# Altium PCB novena_evt1_a.PcbDoc (part 6 of 12) (continued)
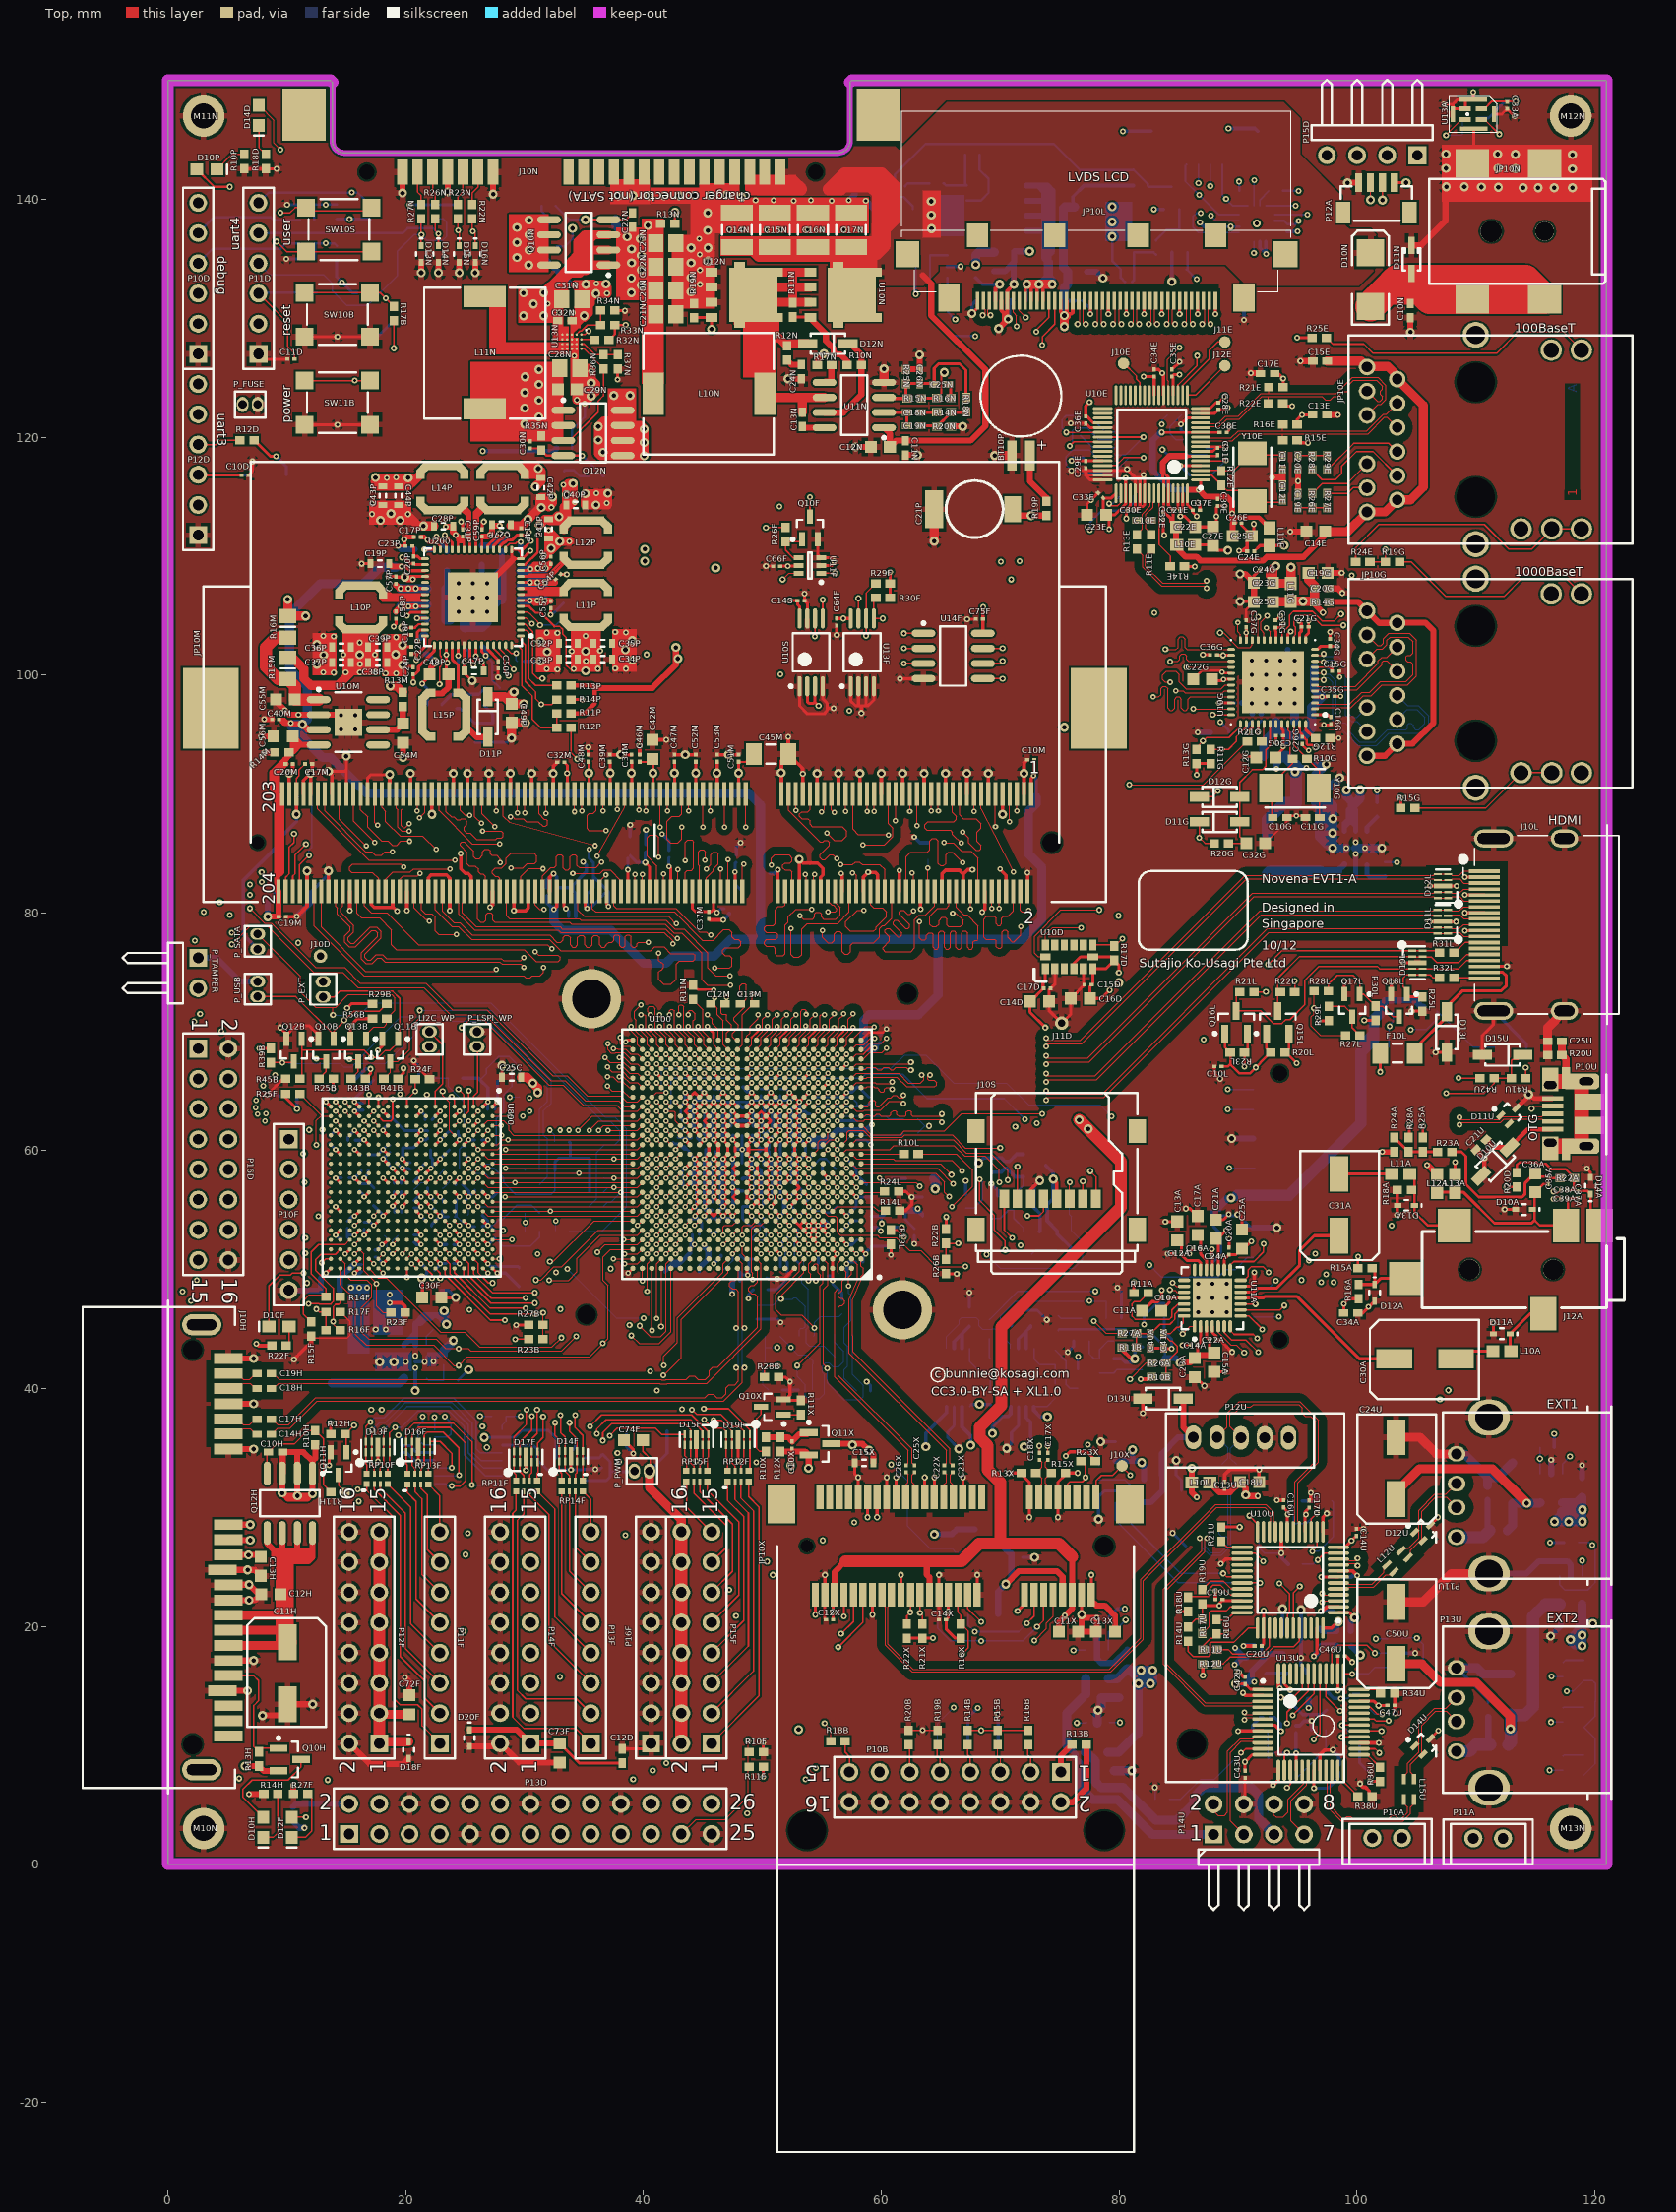
[diagram p0: Top view]
## Nets (pads, with @x,y where several pads share a name; then routed paths per layer and width w, separated by ;. In a path a pad name is that pad's centre, name@x,y a point inside that pad or via, vN(x,y) a via of type N, cw(c..) or ccw(c..) an arc to the next point about the centre after c; other vN are vias at no path point) (continued)
  L8 w0.127: v1(95.75,92.175) 99.15,88.775 100.375,88.775 103.375,85.775 v1(103.375,84.25)
  Bot w0.203: R17G.1@102.375,84.25 v1(103.375,84.25)
  Bot w0.254: v1(90.825,95.175) 90.825,95.775 C33G.1@91.2,96.15
  Bot w0.508: v1(93.25,92.1) 93.25,92.5 93.65,92.9 L10G.1@93.65,93.15 ; v3(94.8,91.875) 94.9,91.975 95.1,92.175 v1(95.75,92.175)
  Bot w1.016: L12G.2@92.5,86.59 92.5,87.825 93.9,89.225 C27G.2@94.9,89.225 C28G.2@94.9,90.725 94.9,91.975 94.9,92.25 94.925,92.275 94.05,93.15 L10G.1@93.65,93.15
  other v1: 88.75,101.65
  other v2: 88.8,99.625 90.7,103.55
EN100_A1.8V: C25E.1 C26E.1 C37E.1 C38E.1 C39E.1 L11E.2 U10E.1 U10E.11 U10E.64 | length 26.7
  Top w0.229: v1(83.6,120.4) 83.604,120.404 U10E.11@86.875,120.404 88.446,120.404 C38E.1@88.45,120.4
  Top w0.254: U10E.64@85.75,115.279 85.75,114.3 C37E.1@86.2,113.85 86.2,113.675 v1(86.525,113.35) ; v1(86.7,115.575) 86.875,115.75 U10E.1@86.875,116.404 ; 89.5,113.05 89.721,113.271
  Top w0.381: 89.721,113.271 89.743,113.25 91.775,113.25 L11E.2@92.65,112.375
  Top w0.508: 85.9,115.575 v1(86.7,115.575) 87.275,115 89.05,115 89.51,114.54 89.51,113.885 89.5,113.875 v1(89.5,113.6) 89.5,113.05 89.7,112.85 89.55,112.7 C25E.1@89.55,111.75
  Bot w0.508: v1(83.6,120.4) 83.475,120.4 82.825,119.75 82.825,117.225 84.475,115.575 v1(86.7,115.575)
EN100_A3.3V: C14E.1 C15E.1 C21E.1 C22E.1 C31E.1 C32E.1 JP10E.R1 JP10E.R6 JP10E.R7 JP10E.R12 L10E.1 U10E.6 U10E.59 U10E.60 | length 58
  Top w0.229: U10E.6@86.875,118.404 88.204,118.404 C31E.1@88.3,118.5
  Top w0.254: C22E.1@84.8,112.45 C22E.1@84.55,112.7 ; 85.6,118.4 86.871,118.4 U10E.6@86.875,118.404 ; C22E.1@84.55,112.7 C21E.1@84.55,113.85 84.15,114.25 U10E.60@84.15,115.279 84.15,116.625 83.675,117.1 83.675,116.55 83.75,116.475 U10E.59@83.75,115.279 83.75,113.75 C32E.1@83.7,113.7 83.8,113.7 84.35,113.15 84.35,112.9 C22E.1@84.55,112.7
  Top w0.508: 83.675,117.1 83.675,117.825 84.254,118.404 85.596,118.404 85.6,118.4 ; C22E.1@84.8,112.45 84.8,111 L10E.1@84.85,110.95 84.85,110.675 85.575,109.95 86.5,109.95 86.825,109.625 92.125,109.625 92.425,109.925 95.5,109.925 97.35,111.775 C14E.1@97.35,112.05
  Top w0.762: C14E.1@97.35,112.05 99.206,112.05 JP10E.R12@100.86,113.704 102.374,113.704 JP10E.R6@103.39,114.72 104.52,114.72 105.6,115.8 105.6,122.67 JP10E.R1@103.39,124.88 103.39,125.16 102.6,125.95 100.914,125.95 JP10E.R7@100.86,125.896 100.356,126.4 C15E.1@97.5,126.4
EN100_D1.8V: C23E.1 C24E.1 C33E.1 C34E.1 C35E.1 C36E.1 L11E.1 U10E.20 U10E.24 U10E.36 U10E.49 U10E.51 | length 18.7
  Top w0.254: v1(77.525,122.95) 77.2,122.625 C36E.1@77.2,121.75 77.275,121.75 77.821,121.204 U10E.36@78.625,121.204 ; v1(79.15,112.275) 79.15,113.2 C23E.1@78.9,113.45 ; U10E.49@79.75,115.279 79.359,114.888 C33E.1@78.662,114.888 78.662,113.688 C23E.1@78.9,113.45 ; v1(80.55,116.575) U10E.51@80.55,115.279 80.55,114.375 79.625,113.45 C23E.1@78.9,113.45 ; v1(82.075,125.1) C34E.1@82.95,125.1 U10E.24@82.95,123.529 ; U10E.20@84.55,123.529 84.55,125 C35E.1@84.45,125.1 84.6,125.25 v1(85.075,125.25) ; C24E.1@91.375,110.4 91.85,110.875 L11E.1@92.65,110.875 93.75,110.875 v3@93.8,110.825
  other v3: 93.875,110.9
EN100_LINK: JP10E.L6 U10E.19 | length 41.9
  Top w0.127: U10E.19@84.95,123.529 84.95,124.4 86.55,126 v1@86.55,126.75
  L7 w0.127: v1(86.575,126.85) 86.575,118.775 88.875,116.475 90.175,116.475 94.025,112.625 104.85,112.625 104.875,112.65 110.7,112.65 111.07,112.28 JP10E.L6@113.81,112.28
EN100_RESET_N: C18E.1 R23E.2 U10E.45 | length 9.4
  Top w0.127: U10E.45@78.625,117.604 79.729,117.604 80.4,118.275 v1(82.05,118.275)
  Bot w0.127: R23E.2@76.9,117 C18E.1@78.05,117 79.55,117 80.825,118.275 v1(82.05,118.275)
EN100_RXI_N: JP10E.R2 R16E.1 U10E.10 | length 17.5
  Top w0.083: U10E.10@87.6,119.925 89.425,119.925 90.037,120.537 93.775,120.537 ; R16E.1@93.775,121.075 93.775,120.538 ; JP10E.R2@103.39,122.848 102.476,121.934 102.23,121.934 100.834,120.537 97.45,120.537 93.775,120.537
EN100_RXI_P: JP10E.R3 R15E.1 U10E.9 | length 17.5
  Top w0.083: U10E.9@87.6,119.675 89.529,119.675 90.141,120.287 93.775,120.287 ; R15E.1@93.775,119.725 93.775,120.287 ; JP10E.R3@103.39,120.816 102.522,121.684 102.334,121.684 100.937,120.287 97.45,120.287 93.775,120.287
EN100_TXO_N: JP10E.R9 R21E.2 U10E.13 | length 20.6
  Top w0.083: U10E.13@87.575,121.125 88.321,121.125 88.971,121.775 90.021,121.775 91.921,123.675 92.6,123.675 ; R21E.2@92.6,124.2 92.6,123.675 ; JP10E.R9@100.86,121.832 101.774,122.746 102.05,122.746 102.425,123.121 102.425,124.379 101.779,125.025 99.621,125.025 98.271,123.675 95.65,123.675 92.6,123.675
EN100_TXO_P: JP10E.R8 R22E.2 U10E.12 | length 20.4
  Top w0.083: U10E.12@87.575,120.875 88.425,120.875 89.075,121.525 90.125,121.525 92.025,123.425 92.575,123.425 ; R22E.2@92.575,122.85 92.575,123.425 ; JP10E.R8@100.86,123.864 101.728,122.996 101.946,122.996 102.175,123.225 102.175,123.425 102,123.6 102,123.875 102.175,124.05 102.175,124.275 101.675,124.775 99.725,124.775 99.35,124.4 99.35,124.025 99.162,123.837 98.788,123.837 98.375,123.425 98.05,123.425 97.75,123.125 97.375,123.125 97.075,123.425 95.65,123.425 92.575,123.425
EN100_USB_ACT: JP10E.L2 U10E.21 | length 36.1
  Top w0.102: U10E.21@84.15,123.529 84.15,124.7 84.075,124.775 84.075,126.525 v1(85.075,127.525)
  L7 w0.127: v1(85.075,127.525) 105.175,127.525 105.7,127 116.03,127 JP10E.L2@116.35,127.32
EN100_XTL25N: C11E.1 R12E.1 U10E.3 Y10E.1 | length 7.5
  Top w0.127: U10E.3@86.875,117.204 88.546,117.204 R12E.1@88.6,117.15 89.6,117.15 90.95,118.5 91.2,118.5 93.7,118.5 C11E.1@93.75,118.45
EN100_XTL25P: C12E.1 R12E.2 U10E.2 Y10E.2 | length 7.9
  Top w0.127: U10E.2@86.875,116.804 87.796,116.804 89.1,115.5 90.2,115.5 91.2,114.5 93.5,114.5 C12E.1@93.75,114.75
EPIT1_EPITO: D14D.1 P16D.5 U100.G21 U800.H12 | length 148.1
  Top w0.102: D14D.1@7.65,147.9 8.9,146.65 8.9,144.725 v1(9.45,144.175) ; U800.H12@21.7,54.9 v2(22.1,54.5) ; v2(41.9,54.5) U100.G21@42.3,54.9
  L3 w0.102: P16D.5@2.54,63.5 3.715,62.325 6.25,62.325 8.975,59.6 10.525,59.6 12.125,58 12.125,56.025 14.031,54.119 21.719,54.119 v2(22.1,54.5)
  L7 w0.102: v2(22.1,54.5) 22.481,54.119 23.058,54.119 23.064,54.125 27.775,54.125 30.969,57.319 42.82,57.319 43.081,57.058 43.081,55.185 43.125,55.141 43.125,54.325 42.9,54.1 42.3,54.1 v2(41.9,54.5)
  L8 w0.127: P16D.5@2.54,63.5 1.5,64.54 1.5,69.5 1.775,69.775 2.8,69.775 3.2,70.175 3.2,72.1 2.8,72.5 1.925,72.5 1.5,72.925 1.5,78.375 2.1,78.975 2.1,109.561 1.525,110.136 1.525,125.05 2.1,125.625 4.5,125.625 5.8,126.925 5.8,129.875 6.65,130.725 8.175,130.725 9.1,131.65 9.1,135.375 10.9,137.175 10.9,142.725 v1(9.45,144.175)
EPIT2_EPITO: P13D.18 U100.G20 | length 63.1
  Top w0.102: v2(42.7,54.5) U100.G20@43.1,54.9
  L3 w0.102: P13D.18@35.56,5.08 37.605,7.125 v1(39.125,7.125)
  L8 w0.102: v1(39.125,7.125) 38.003,8.247 38.003,29.078 39.5,30.575 41.45,30.575 42.578,31.703 42.578,34.347 38.328,38.597 38.328,44.378 38.825,44.875 39.075,44.875 39.231,45.031 39.231,46.369 37.656,47.944 37.656,50.243 37.418,50.481 37.33,50.481 36.875,50.936 36.875,51.35 37.225,51.7 38.275,51.7 40.675,54.1 42.3,54.1 v2(42.7,54.5)
F_ADC0_CS: R28F.2 U12F.1 U800.K17 | length 21.6
  Top w0.102: U800.K17@20.1,50.9 v2(20.5,51.3)
  L7 w0.127: v2(20.5,51.3) 20.9,50.9 20.9,49.975 20.525,49.6 20.525,48.925 21.35,48.1 22.75,48.1 25,45.85 25,43.4 29.65,38.75 v1(29.65,37.675)
  Bot w0.127: U12F.1@28.125,36.55 28.125,36.925 28.425,37.225 R28F.2@28.425,37.675 v1(29.65,37.675)
F_ADC_IN: U12F.14 U800.P17 | length 20.2
  Top w0.102: U800.P17@16.9,50.9 v2(17.3,50.5)
  L7 w0.127: v2(17.3,50.5) 17.3,49.85 18.65,48.5 19.025,48.5 21.051,46.474 21.051,44.724 22.85,42.925 22.85,41.9 21.425,40.475 v1(21.425,37.625)
  Bot w0.127: v1(21.425,37.625) 21.425,37.225 21.05,36.85 21.05,35.7 21.5,35.25 U12F.14@22.425,35.25
F_ADC_OUT: U12F.15 U800.N17 | length 20.1
  Top w0.102: U800.N17@17.7,50.9 v2(18.1,51.3)
  L7 w0.127: v2(18.1,51.3) 18.5,50.9 18.5,50.15 21.9,46.75 21.9,45.075 23.925,43.05 23.925,41.1 23.3,40.475 v1(23.3,37.625)
  Bot w0.127: U12F.15@22.425,35.9 23.525,35.9 23.8,36.175 23.8,37.125 v1(23.3,37.625)
F_ADC_SCLK: U12F.16 U800.N18 | length 16.6
  Top w0.102: U800.N18@17.7,50.1 v2(18.1,49.7)
  L7 w0.127: v2(18.1,49.7) 18.1,49.625 18.85,48.875 19.25,48.875 21.493,46.632 21.493,44.907 23.425,42.975 23.425,41.475 22.425,40.475 v1(22.425,37.6)
  Bot w0.127: U12F.16@22.425,36.55 v1(22.425,37.6)
F_DIGIO0: D17F.1 D17F.10 RP11F.4 U800.H18 | length 22.6
  Top w0.127: U800.H18@21.7,50.1 22.225,49.575 v1(22.225,49.275) ; RP11F.4@29.288,32.25 29.288,32.737 29.1,32.925 D17F.1@29.1,33.813 D17F.10@29.1,34.687 29.1,35.925 30.15,36.975 v1(30.15,38.225)
  L7 w0.127: v1(22.225,49.275) 23.1,48.4 24.35,48.4 24.75,48 24.75,46.575 25.35,45.975 25.35,43.47 30.15,38.67 v1(30.15,38.225)
F_DIGIO1: D17F.2 D17F.9 RP11F.3 U800.G18 | length 22.5
  Top w0.127: U800.G18@22.5,50.1 22.9,49.7 v1(22.9,49.275) ; RP11F.3@29.925,32.25 29.925,32.7 29.6,33.025 D17F.2@29.6,33.813 D17F.9@29.6,34.687 29.6,35.5 30.6,36.5 v1(30.6,37.675)
  L7 w0.127: v1(22.9,49.275) 23.375,48.8 24.525,48.8 25.8,47.525 25.8,46.175 25.725,46.1 25.725,43.731 30.6,38.856 v1(30.6,37.675)
F_DIGIO2: D17F.4 D17F.7 RP11F.2 U800.H17 | length 23.6
  Top w0.102: U800.H17@21.7,50.9 v2(22.1,50.5)
  Top w0.127: RP11F.2@30.425,32.25 30.425,32.75 30.6,32.925 D17F.4@30.6,33.813 D17F.7@30.6,34.687 30.6,35.75 31.05,36.2 v1(31.05,38.225)
  L7 w0.127: v2(22.1,50.5) 22.825,49.775 23.3,49.775 23.85,49.225 24.55,49.225 26.175,47.6 26.175,46.025 26.05,45.9 26.05,44.043 31.05,39.043 v1(31.05,38.225)
F_DIGIO3: D17F.5 D17F.6 RP11F.1 U800.H16 | length 24.5
  Top w0.102: U800.H16@21.7,51.7 v2(22.1,51.3)
  Top w0.127: RP11F.1@31.063,32.25 31.063,32.913 31.125,32.975 31.125,34.663 D17F.6@31.1,34.687 31.1,35.425 31.55,35.875 v1(31.55,37.625)
  L7 w0.127: v2(22.1,51.3) 22.506,50.894 23.063,50.894 23.825,50.132 23.825,49.775 24.05,49.55 24.825,49.55 26.56,47.815 26.56,44.24 31.55,39.25 v1(31.55,37.625)
F_DIGIO4: D14F.1 D14F.10 RP14F.4 U800.G16 | length 24.4
  Top w0.102: U800.G16@22.5,51.7 v2(22.9,51.3)
  Top w0.127: v1(32.55,37.125) 32.55,36.05 32.9,35.7 D14F.10@32.9,34.737 D14F.1@32.9,33.863 32.9,33.075 33.125,32.85 RP14F.4@33.125,32.25
  L7 w0.127: v2(22.9,51.3) 23.075,51.3 24.125,50.25 24.125,50.075 24.35,49.85 25.125,49.85 27.05,47.925 27.05,44.443 32.55,38.943 v1(32.55,37.125)
F_DIGIO5: D14F.2 D14F.9 RP14F.3 U800.F16 | length 24.2
  Top w0.102: U800.F16@23.3,51.7 v2(23.7,51.3)
  Top w0.127: v1(33.025,37.75) 33.025,36.3 33.4,35.925 D14F.9@33.4,34.737 D14F.2@33.4,33.863 33.4,33.05 33.763,32.687 RP14F.3@33.763,32.25
  L7 w0.127: v2(23.7,51.3) 24.1,50.9 24.75,50.9 25.05,50.6 25.05,50.45 27.525,47.975 27.525,44.639 33.025,39.139 v1(33.025,37.75)
F_DIGIO6: D14F.4 D14F.7 RP14F.2 U800.G14 | length 26.9
  Top w0.102: U800.G14@22.5,53.3 v2(22.9,52.9)
  Top w0.127: v1(33.775,37.125) 33.775,36.4 34.4,35.775 D14F.7@34.4,34.737 D14F.4@34.4,33.863 34.4,32.925 34.263,32.788 RP14F.2@34.263,32.25
  L7 w0.127: v2(22.9,52.9) 24.1,51.7 24.775,51.7 24.906,51.569 24.906,51.137 25.218,50.825 25.375,50.825 25.575,50.625 25.575,50.468 26.737,49.306 27.461,49.306 28.125,48.643 28.125,47.303 30,45.428 30,42.953 33.775,39.178 v1(33.775,37.125)
F_DIGIO7: D14F.5 D14F.6 RP14F.1 U800.F14 | length 27.5
  Top w0.102: U800.F14@23.3,53.3 v2(23.7,52.9)
  Top w0.127: v1(34.25,37.75) 34.25,36.7 34.9,36.05 D14F.6@34.9,34.737 RP14F.1@34.9,32.25
  L7 w0.127: v2(23.7,52.9) 24.106,52.494 25.506,52.494 25.694,52.306 25.694,50.981 26.581,50.094 27.906,50.094 28.5,49.5 28.5,47.6 30.475,45.625 30.475,43.15 34.25,39.375 v1(34.25,37.75)
F_DIGIO_X0: P13F.1 RP11F.5 | length 26.6
  Top w0.127: RP11F.5@29.288,31.35 29.288,29.788 29,29.5 29,12.35 29.95,11.4 34.32,11.4 P13F.1@35.56,10.16
F_DIGIO_X1: P13F.2 RP11F.6 | length 23.9
  Top w0.127: RP11F.6@29.925,31.35 29.925,29.45 29.375,28.9 29.375,14.625 30.1,13.9 34.36,13.9 P13F.2@35.56,12.7
F_DIGIO_X2: P13F.3 RP11F.7 | length 18.2
  Top w0.127: RP11F.7@30.425,31.35 30.425,31.025 32.025,29.425 32.025,18.775 P13F.3@35.56,15.24
F_DIGIO_X3: P13F.4 RP11F.8 | length 15.4
  Top w0.127: RP11F.8@31.063,31.35 32.55,29.862 32.55,20.79 P13F.4@35.56,17.78
F_DIGIO_X4: P13F.5 RP14F.5 | length 12
  Top w0.127: RP14F.5@33.125,31.35 33.125,22.755 P13F.5@35.56,20.32
F_DIGIO_X5: P13F.6 RP14F.6 | length 9.2
  Top w0.127: RP14F.6@33.763,31.35 33.763,24.657 P13F.6@35.56,22.86
F_DIGIO_X6: P13F.7 RP14F.7 | length 6.5
  Top w0.127: RP14F.7@34.263,31.35 34.263,26.697 P13F.7@35.56,25.4
F_DIGIO_X7: P13F.8 RP14F.8 | length 3.7
  Top w0.127: RP14F.8@34.9,31.35 35.56,30.69 P13F.8@35.56,27.94
F_PWM0: P15F.1 RP12F.4 | length 24
  Top w0.127: P15F.1@45.72,10.16 49.7,14.14 49.7,30.05 48.837,30.912 RP12F.4@48.837,32.175
F_PWM1: P15F.3 RP12F.3 | length 21.4
  Top w0.127: P15F.3@45.72,12.7 49.25,16.23 49.25,29.725 48.2,30.775 RP12F.3@48.2,32.175
F_PWM2: P15F.5 RP12F.2 | length 18.7
  Top w0.127: P15F.5@45.72,15.24 48.825,18.345 48.825,29.525 47.7,30.65 RP12F.2@47.7,32.175
F_PWM3: P15F.7 RP12F.1 | length 16.1
  Top w0.127: P15F.7@45.72,17.78 48.425,20.485 48.425,29.225 47.05,30.6 47.05,31.425 47.062,31.437 RP12F.1@47.062,32.175
F_PWM4: P15F.9 RP15F.4 | length 13.9
  Top w0.127: RP15F.4@45.387,32.175 45.387,31.413 48.025,28.775 48.025,22.625 P15F.9@45.72,20.32
F_PWM5: P15F.11 RP15F.3 | length 11.2
  Top w0.127: RP15F.3@44.75,32.175 44.75,31.325 47.475,28.6 47.475,24.615 P15F.11@45.72,22.86
F_PWM6: P15F.13 RP15F.2 | length 8.4
  Top w0.127: RP15F.2@44.25,32.175 44.25,31.175 46.975,28.45 46.975,26.655 P15F.13@45.72,25.4
F_PWM7: P15F.15 RP15F.1 | length 5.1
  Top w0.127: RP15F.1@43.612,32.175 43.612,30.048 P15F.15@45.72,27.94
FPGA_DONE: D10F.2 U100.T24 U800.V17 | length 47.1
  Top w0.102: v2(37.025,61.7) 39.5,61.7 U100.T24@39.9,62.1
  Top w0.127: D10F.2@8.5,45.2 8.5,48.625 9.4,49.525 10.275,49.525 10.45,49.7 v1(11.4,49.7) ; v1(12.95,50.575) 13.275,50.9 U800.V17@13.7,50.9
  L3 w0.127: v1(12.95,50.575) 13.275,50.9 27.2,50.9 27.7,51.4 28.15,51.4 29.775,49.775 v1(32.65,49.775)
  L7 w0.127: v1(11.4,49.7) 12.075,49.7 v1(12.95,50.575)
  L8 w0.102: v1@32.625,49.775 32.625,51.125 36.3,54.8 36.3,60.975 v2(37.025,61.7)
FPGA_HSWAPEN: R12F.2 R13F.1 U800.D4 | length 7
  Top w0.102: U800.D4@24.9,61.3 v2(25.3,61.7)
  Bot w0.102: R13F.1@23.6,66.1 23.6,65.375 24.919,64.056 24.919,62.081 v2(25.3,61.7)
  Bot w0.127: R12F.2@22.3,66.1 R13F.1@23.6,66.1
FPGA_INIT_N: R21F.2 U100.T23 U800.U3 | length 29.9
  Top w0.102: v2(14.1,62.5) U800.U3@14.5,62.1 ; v2(40.3,62.5) U100.T23@40.7,62.1
  L3 w0.102: v1(28.75,64.5) 29.55,63.7 38.234,63.7 39.434,62.5 v2(40.3,62.5)
  L7 w0.102: v2(14.1,62.5) 15.7,62.5 16.1,62.9 18.275,62.9 18.675,63.3 20.225,63.3 20.625,63.7 25.475,63.7 26.275,64.5 v1(28.75,64.5)
  Bot w0.102: v1(28.75,64.5) 29.55,64.5 R21F.2@29.6,64.55
FPGA_LED2: D12F.1 U800.P18 | length 110.7
  Top w0.102: U800.P18@16.9,50.1 17.7,49.3 18.375,49.3 22.95,44.725 24.975,44.725 26.225,43.475 32.3,43.475 v1(33.1,44.275)
  Top w0.127: D12F.1@10.4,3.95 v1(11.6,3.95)
  L3 w0.102: v1(11.6,3.95) 14.4,1.15 20.85,1.15 21.575,1.875 21.575,3.125 22.125,3.675 28.225,3.675 29.375,4.825 29.375,6.475 31.625,8.725 40.85,8.725 41.175,9.05 47.05,9.05 47.45,9.45 47.45,10.825 48.8,12.175 48.8,28.35 43.631,33.519 43.631,39.144 43.6,39.175 43.6,42.225 42.475,43.35 38.675,43.35 37.55,42.225 34.625,42.225 33.1,43.75 v1(33.1,44.275)
FPGA_LI2C_SCL: R29F.2 U13F.6 U800.E4 | length 88.1
  Top w0.102: v1(23.1,65) 23.1,64.625 23.675,64.05 23.675,61.725 U800.E4@24.1,61.3
  Top w0.127: v1(58.725,103.3) U13F.6@58.725,104.75 58.725,106.875 R29F.2@59.55,107.7
  L8 w0.127: v1(23.1,65) 23.1,65.825 22.919,66.006 22.919,71.181 20.575,73.525 20.575,74.325 16.275,78.625 16.275,81.875 13.9,84.25 13.9,88.399 21.126,95.625 29.5,95.625 29.8,95.325 32.576,95.325 33.976,96.725 37.81,96.725 38.735,97.65 52.625,97.65 53.6,98.625 55.325,98.625 58.3,101.6 58.3,102.875 v1(58.725,103.3)
FPGA_LI2C_SDA: R30F.2 U13F.5 U800.E1 | length 85.5
  Top w0.127: v1(23.851,64.528) 24.1,64.279 U800.E1@24.1,63.7 ; R30F.2@59.55,106.5 59.375,106.325 U13F.5@59.375,104.75 v1(60.125,104.75)
  L8 w0.127: v1(23.851,64.528) 23.851,65.624 23.219,66.256 23.219,71.305 20.875,73.649 20.875,74.449 16.575,78.749 16.575,81.999 14.2,84.374 14.2,88.275 21.25,95.325 29.376,95.325 29.676,95.025 32.7,95.025 34.1,96.425 37.934,96.425 38.859,97.35 52.9,97.35 53.85,98.3 55.8,98.3 59.5,102 59.5,104.125 v1(60.125,104.75)
FPGA_LI2C_WP: P_LI2C_WP.1 U13F.7 U800.G1 | length 85.4
  Top w0.127: P_LI2C_WP.1@22,70 23.1,68.9 23.1,65.625 22.5,65.025 U800.G1@22.5,63.7 ; v1@58.05,106.475 v1(58.075,106.45) U13F.7@58.075,104.75
  L8 w0.127: P_LI2C_WP.1@22,70 20.1,71.9 20.1,74.165 12.95,81.315 12.95,84.085 13.275,84.41 13.275,88.21 21.715,96.65 33.441,96.65 33.841,97.05 37.675,97.05 38.6,97.975 52.325,97.975 53.425,99.075 54.525,99.075 57.65,102.2 57.65,103.125 58.075,103.55 v1(58.075,106.45)
FPGA_LSPI_CLK: U14F.6 U800.D3 | length 93.6
  Top w0.102: U800.D3@24.9,62.1 v2(25.3,62.5)
  Top w0.127: U14F.6@68.55,100.965 69.988,100.965 v1(70.203,101.18)
  L8 w0.127: v2(25.3,62.5) 25.35,62.5 25.675,62.825 25.675,63.7 26.975,65 26.975,67.85 27.575,68.45 27.575,70.375 18.306,79.644 18.306,82.734 15.95,85.09 15.95,87.13 18.17,89.35 21.42,89.35 22.65,90.58 22.65,91.88 23.445,92.675 32.719,92.675 34.794,94.75 38.628,94.75 39.553,95.675 63.543,95.675 69.048,101.18 v1(70.203,101.18)
FPGA_LSPI_CS: U14F.1 U800.D1 | length 84.6
  Top w0.127: v1(24.425,65.175) 24.9,64.7 U800.D1@24.9,63.7 ; v1@61.875,103.525 v1(61.895,103.505) U14F.1@63.55,103.505
  L8 w0.127: v1(24.425,65.175) 24.425,65.95 24.175,66.2 24.175,68.665 23.55,69.29 23.55,72.455 16.931,79.075 16.931,82.165 14.575,84.521 14.575,87.7 17.6,90.725 20.85,90.725 21.275,91.15 21.275,92.45 22.875,94.05 32.149,94.05 34.224,96.125 38.058,96.125 38.983,97.05 53.15,97.05 54.1,98 56.39,98 v1(61.895,103.505)
FPGA_LSPI_HOLD: U14F.7 U800.E3 | length 94.5
  Top w0.102: U800.E3@24.1,62.1 v2(24.5,62.5)
  Top w0.127: U14F.7@68.55,102.235 v1(70.205,102.235)
  L8 w0.127: v2(24.5,62.5) 25.225,63.225 25.225,63.7 26.625,65.1 26.625,67.995 27.225,68.595 27.225,70.23 17.956,79.499 17.956,82.59 15.6,84.945 15.6,87.275 18.025,89.7 21.275,89.7 22.3,90.725 22.3,92.025 23.3,93.025 32.574,93.025 34.649,95.1 38.483,95.1 39.408,96.025 62.623,96.025 68.833,102.235 v1(70.205,102.235)
FPGA_LSPI_MISO: U14F.2 U800.D2 | length 84.6
  Top w0.127: U800.D2@24.9,62.9 25.3,63.3 v1(25.3,65.05) ; v1(61.895,102.235) U14F.2@63.55,102.235
  L8 w0.127: v1(25.3,65.05) 25.3,65.875 24.975,66.2 24.975,68.325 23.875,69.425 23.875,72.59 17.256,79.209 17.256,82.3 14.9,84.655 14.9,87.565 17.735,90.4 20.985,90.4 21.6,91.015 21.6,92.315 23.01,93.725 32.284,93.725 34.359,95.8 38.193,95.8 39.118,96.725 56.385,96.725 v1(61.895,102.235)
FPGA_LSPI_MOSI: U14F.5 U800.C2 | length 91.8
  Top w0.102: U800.C2@25.7,62.9 v2(26.1,63.3)
  Top w0.127: U14F.5@68.55,99.695 v1(70.205,99.695)
  L8 w0.127: v2(26.1,63.3) 26.657,63.3 27.3,63.943 27.3,67.715 27.9,68.315 27.9,70.51 18.631,79.779 18.631,82.869 16.275,85.225 16.275,86.995 18.305,89.025 21.555,89.025 22.975,90.445 22.975,91.745 23.58,92.35 32.853,92.35 34.928,94.425 38.762,94.425 39.687,95.35 64.488,95.35 68.833,99.695 v1(70.205,99.695)
FPGA_LSPI_WP: P_LSPI_WP.2 U14F.3 U800.C1 | length 84.9
  Top w0.127: U800.C1@25.7,63.7 25.7,64.575 26.025,64.9 26.025,68.705 P_LSPI_WP.2@26,68.73 ; v1(61.895,100.965) U14F.3@63.55,100.965
  L8 w0.127: P_LSPI_WP.2@26,68.73 25.2,68.73 24.219,69.711 24.219,72.733 17.6,79.352 17.6,82.442 15.244,84.798 15.244,87.422 17.878,90.056 21.128,90.056 21.944,90.872 21.944,92.172 23.153,93.381 32.426,93.381 34.501,95.456 38.335,95.456 39.26,96.381 59.756,96.381 60.925,97.55 60.925,99.995 v1(61.895,100.965)
FPGA_M0: R14F.2 R15F.2 U800.T15 | length 12.2
  Top w0.102: 14.9,52.1 U800.T15@15.3,52.5
  Top w0.127: R15F.2@12.05,45.6 11.375,46.275 11.375,47.35 11.875,47.85 13.15,47.85 R14F.2@13.3,47.7 13.3,48.4 12.05,49.65 12.05,51.475 12.675,52.1 14.9,52.1
FPGA_M1: R16F.2 R17F.2 U800.N12 | length 13
  Top w0.102: v2(17.3,54.5) U800.N12@17.7,54.9
  Top w0.127: v1(12.5,46.675) 12.725,46.45 R17F.2@13.3,46.45 13.3,45.25
  L4 w0.127: v1(12.5,46.675) 12.5,47.4 13.825,48.725 13.825,52 15.119,53.294 16.094,53.294 v2(17.3,54.5)
FPGA_PWM0: D19F.1 D19F.10 RP12F.5 U800.C18 | length 36
  Top w0.127: U800.C18@25.7,50.1 25.7,49.65 27.3,48.05 v1(30.875,48.05) ; v1(45.075,38.3) 47.15,38.3 48.95,36.5 D19F.1@48.95,36.137 D19F.10@48.95,35.262 RP12F.5@48.95,33.075
  L3 w0.127: v1(30.875,48.05) 37,48.05 38.175,46.875 42.35,46.875 45.075,44.15 v1(45.075,38.3)
FPGA_PWM1: D19F.2 D19F.9 RP12F.6 U800.C17 | length 36
  Top w0.127: U800.C17@25.7,50.9 26.1,50.5 26.1,49.725 26.95,48.875 v1(27.3,48.875) ; v1(44.075,38.225) 44.475,37.825 46.5,37.825 47.533,36.792 48.067,36.792 48.45,36.408 D19F.2@48.45,36.137 D19F.9@48.45,35.262 48.45,33.75 48.2,33.5 RP12F.6@48.2,33.075
  L3 w0.127: v1(27.3,48.875) 27.375,48.875 29.081,47.169 30.249,47.169 30.718,46.7 31.075,46.7 31.2,46.825 32.075,46.825 32.725,46.175 32.725,45.35 33.15,44.925 37.85,44.925 38.8,43.975 42.975,43.975 44.075,42.875 v1(44.075,38.225)
FPGA_PWM2: D19F.4 D19F.7 RP12F.7 U800.D17 | length 37.6
  Top w0.127: U800.D17@24.9,50.9 25.3,50.5 25.3,49.5 27.2,47.6 v1(30.075,47.6) ; v1(45.9,37.325) 46.525,37.325 47.45,36.4 D19F.4@47.45,36.137 D19F.7@47.45,35.262 47.45,33.725 47.7,33.475 RP12F.7@47.7,33.075
  L3 w0.127: v1(30.075,47.6) 30.075,48.15 30.5,48.575 37.15,48.575 38.475,47.25 42.575,47.25 45.4,44.425 45.4,38.8 45.5,38.7 45.5,37.725 v1(45.9,37.325)
FPGA_PWM3: D19F.5 D19F.6 RP12F.8 U800.D18 | length 35.4
  Top w0.127: U800.D18@24.9,50.1 24.9,49.425 27.15,47.175 v1(30.875,47.175) ; v1(45.1,37.375) 45.8,36.675 46.675,36.675 46.95,36.4 D19F.5@46.95,36.137 D19F.6@46.95,35.262 46.95,34.225 47.062,34.112 RP12F.8@47.062,33.075
  L3 w0.127: v1(30.875,47.175) 33.225,47.175 33.7,47.65 36.675,47.65 37.9,46.425 42.125,46.425 44.575,43.975 44.575,37.9 v1(45.1,37.375)
FPGA_PWM4: D15F.1 D15F.10 RP15F.5 U800.E18 | length 34
  Top w0.127: U800.E18@24.1,50.1 24.1,49.75 27.1,46.75 v1(30.075,46.75) ; v1(35.5,36.8) 36.475,37.775 44.05,37.775 45.45,36.375 D15F.1@45.45,36.137 D15F.10@45.45,35.262 45.45,34.25 45.387,34.187 RP15F.5@45.387,33.075
  L3 w0.127: v1(30.075,46.75) 30.075,44.85 35.5,39.425 v1(35.5,36.8)
FPGA_PWM5: D15F.2 D15F.9 RP15F.6 U800.E16 | length 37.1
  Top w0.102: U800.E16@24.1,51.7 v2(24.5,51.3)
  Top w0.127: v1(36.075,36.175) 36.075,36.6 36.85,37.375 43.983,37.375 44.95,36.408 D15F.2@44.95,36.137 45,36.087 45,33.8 44.75,33.55 RP15F.6@44.75,33.075
  L3 w0.127: v1(25.35,46.625) 26,47.275 28.075,47.275 28.744,46.606 29.194,46.606 29.75,46.05 29.75,44.193 35.05,38.893 35.05,36.657 35.532,36.175 v1(36.075,36.175)
  L4 w0.127: v2(24.5,51.3) 25.35,50.45 v1(25.35,46.625)
FPGA_PWM6: D15F.4 D15F.7 RP15F.7 U800.F17 | length 35.1
  Top w0.127: U800.F17@23.3,50.9 23.725,50.475 23.725,49.925 23.725,49.65 27.125,46.25 v1(30.875,46.25) ; v1(36.575,35.625) 36.575,36.3 37.3,37.025 43.475,37.025 43.95,36.55 D15F.4@43.95,36.137 D15F.7@43.95,35.262 43.95,33.775 44.25,33.475 RP15F.7@44.25,33.075
  L3 w0.127: v1(30.875,46.25) 30.875,45.025 36.575,39.325 v1(36.575,35.625)
FPGA_PWM7: D15F.5 D15F.6 RP15F.8 U800.F18 | length 33.4
  Top w0.127: U800.F18@23.3,50.1 23.3,49.575 27.125,45.75 v1(28.325,45.75) ; v1(37.15,36.025) 37.8,36.675 40.975,36.675 41.513,36.137 D15F.5@43.45,36.137 D15F.6@43.45,35.262 43.45,34.375 43.612,34.213 RP15F.8@43.612,33.075
  L3 w0.127: v1(28.325,45.75) 28.325,44 28.65,43.675 29.175,43.15 30.05,43.15 34.75,38.45 34.75,36.05 35.675,35.125 36.8,35.125 37.15,35.475 v1(37.15,36.025)
FPGA_RESET_N: R25F.1 U11F.6 U100.R20 U800.V2 | length 129
  Top w0.102: R25F.1@11.1,64.75 12.9,62.95 ; v1(12.475,60.475) 12.475,62.525 12.9,62.95 ; U800.V2@13.7,62.9 12.95,62.9 12.9,62.95 ; v2(42.7,61.7) U100.R20@43.1,61.3 ; v1(51.7,108.025) 52.225,108.55 U11F.6@53.05,108.55
  L7 w0.102: v1(12.475,60.475) 13.231,59.719 18.544,59.719 19.325,60.5 23.075,60.5 23.975,61.4 23.975,62.625 24.269,62.919 24.719,62.919 25.2,63.4 25.575,63.4 25.875,63.7 28.65,63.7 29.325,63.025 29.325,62.275 30.3,61.3 42.3,61.3 v2(42.7,61.7)
  L8 w0.127: v1(12.475,60.475) 11.4,61.55 11.4,62.125 12.05,62.775 12.05,66.075 16.325,70.35 16.325,73.155 14.8,74.68 14.8,77.025 10.45,81.375 10.45,85.1 11.125,85.775 11.125,86.5 11.7,87.075 11.7,88.509 21.166,97.975 27.35,97.975 28.925,99.55 30.255,99.55 31.105,98.7 32.99,98.7 33.415,99.125 37.876,99.125 38.051,99.3 49.95,99.3 50.875,100.225 50.875,107.2 v1(51.7,108.025)
FPGA_SUSPEND: R23F.2 U100.R21 U800.R16 | length 48.9
  Top w0.102: v2(15.7,51.3) U800.R16@16.1,51.7 16.475,51.325 16.475,49.9 v1(17.55,48.825) 17.55,46.925 18.075,46.4 R23F.2@18.75,46.4 ; v2(41.9,61.7) U100.R21@42.3,61.3
  L3 w0.102: v2(30.425,63.3) 38.069,63.3 39.269,62.1 41.5,62.1 v2(41.9,61.7)
  L8 w0.102: v2(15.7,51.3) 17.025,52.625 18.95,52.625 20.45,54.125 20.45,61.6 21.75,62.9 23.075,62.9 23.4,62.575 23.4,61.1 24,60.5 26.475,60.5 27.325,59.65 28.85,59.65 30.425,61.225 v2(30.425,63.3)
FPGA_TCK: P10F.2 U100.U25 U800.A17 | length 54.2
  Top w0.102: U800.A17@27.3,50.9 v2(27.866,50.9) ; v2(34.5,61.7) 35.7,62.9 U100.U25@39.1,62.9
  L3 w0.102: 9.294,49.306 10.544,49.306 11.775,48.075 15.075,48.075 16.4,46.75 19.3,46.75 21.225,48.675 23.45,48.675 24.081,49.306 27.845,49.306 28.064,49.525 28.075,49.525 28.225,49.675 28.225,50.541 v2(27.866,50.9)
  L3 w0.127: 9.294,49.306 8.125,50.475 8.125,56.385 P10F.2@10.16,58.42
  L8 w0.102: v2(27.866,50.9) 31.3,50.9 34.075,53.675 34.075,58.55 34.5,58.975 v2(34.5,61.7)
FPGA_TDI: P10F.3 U100.T22 U800.D15 | length 46.3
  Top w0.102: U800.D15@24.9,52.5 v2(25.3,52.1) ; v2(41.1,62.5) U100.T22@41.5,62.1
  L3 w0.102: P10F.3@10.16,55.88 13.556,52.484 24.916,52.484 v2(25.3,52.1) ; v2(30.425,64.45) 30.775,64.1 38.4,64.1 39.6,62.9 40.7,62.9 v2(41.1,62.5)
  L8 w0.102: v2(25.3,52.1) 25.7,52.5 28.05,52.5 29.4,53.85 29.4,55.3 31.475,57.375 31.475,63.775 30.8,64.45 v2(30.425,64.45)
FPGA_TDO: P10F.4 U100.T21 U800.D16 | length 42.9
  Top w0.102: U800.D16@24.9,51.7 v2(25.3,51.3) ; v2(41.9,62.5) U100.T21@42.3,62.1
  L3 w0.127: P10F.4@10.16,53.34 12.235,53.34 13.871,51.704 24.896,51.704 v2(25.3,51.3)
  L7 w0.102: v2(33.725,61.725) 34.1,62.1 41.239,62.1 41.514,62.375 41.775,62.375 v2(41.9,62.5)
  L8 w0.102: v2(25.3,51.3) 25.719,51.719 31.469,51.719 33.725,53.975 v2(33.725,61.725)
FPGA_TMS: P10F.5 U100.U24 U800.B18 | length 40.4
  Top w0.102: U800.B18@26.5,50.1 v2(26.9,49.7) ; v2(35.425,61.7) 36.225,62.5 39.5,62.5 U100.U24@39.9,62.9
  L3 w0.127: P10F.5@10.16,50.8 11.456,50.8 12.15,50.106 26.494,50.106 v2(26.9,49.7)
  L8 w0.102: v2(26.9,49.7) 27.425,50.225 31.025,50.225 35.425,54.625 v2(35.425,61.7)